# Altium PCB EVB-NORA-B20.PcbDoc (part 5 of 6) (continued)
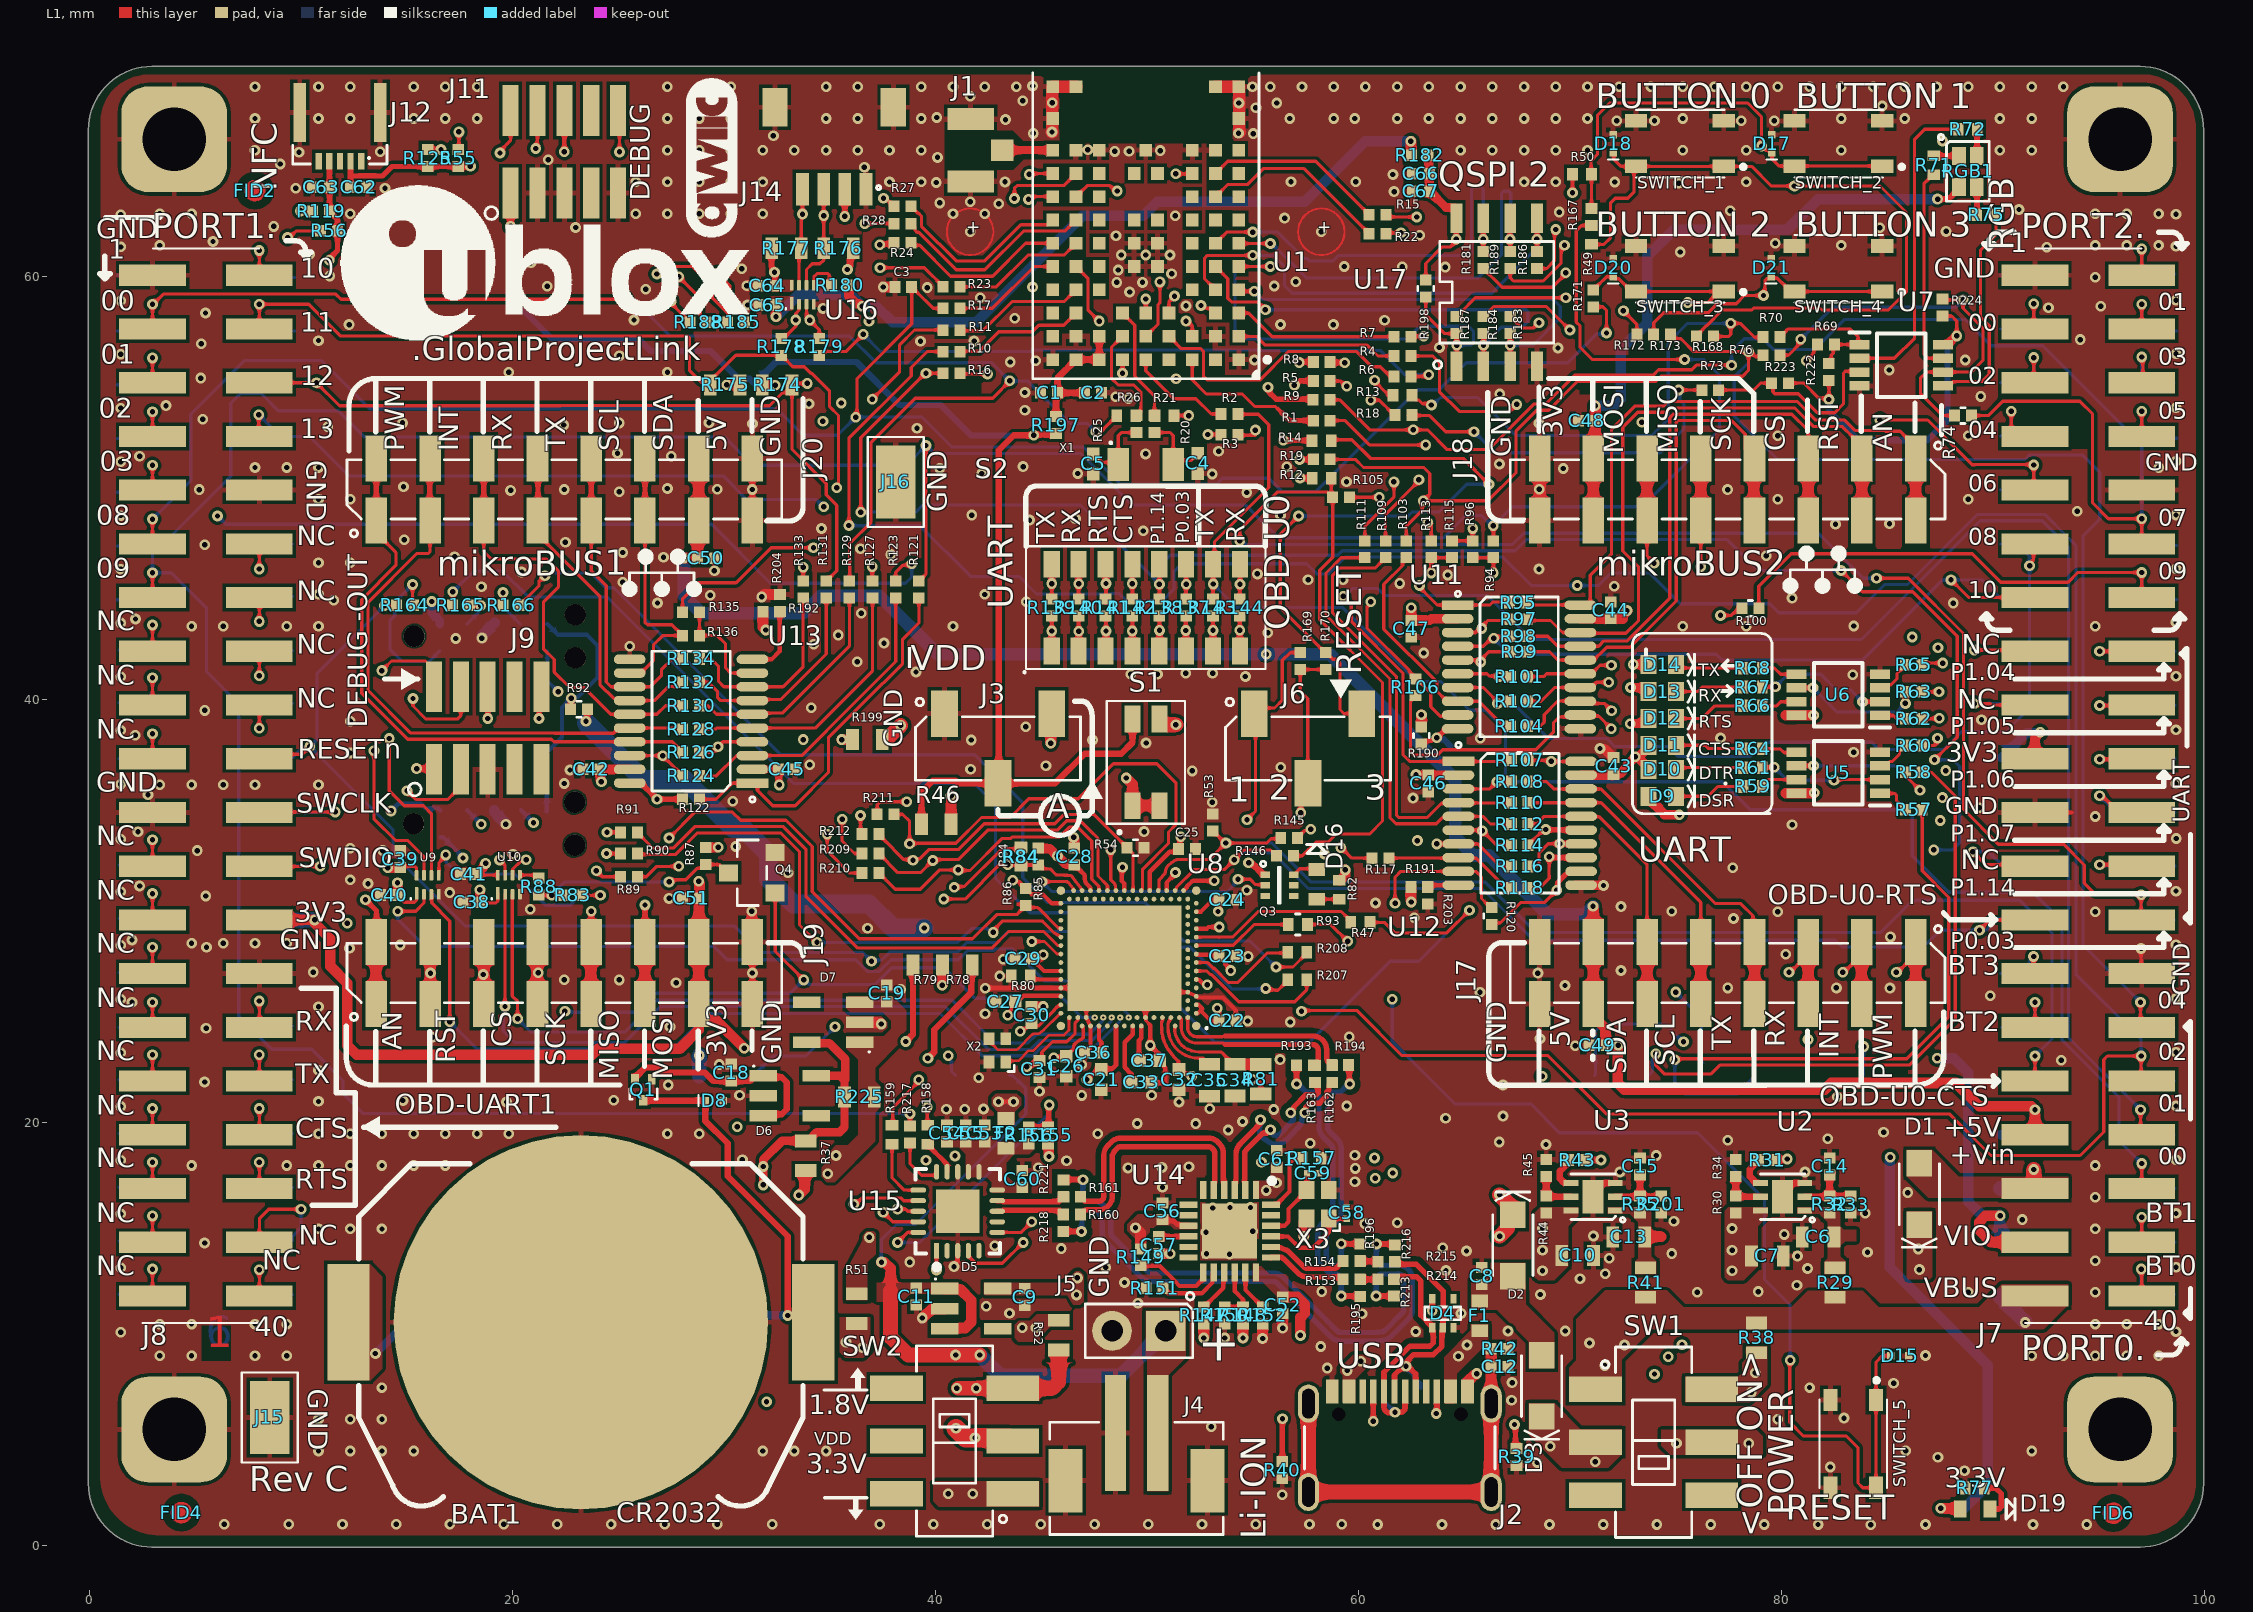
[diagram p0: L1 view]
## Nets (pads, with @x,y where several pads share a name; then routed paths per layer and width w, separated by ;. In a path a pad name is that pad's centre, name@x,y a point inside that pad or via, vN(x,y) a via of type N, cw(c..) or ccw(c..) an arc to the next point about the centre after c; other vN are vias at no path point) (continued)
  L4 w0.15: v1(12.186,29.434) 12.236,29.434 15.55,26.12 26.382,26.12 36.935,36.672 36.935,38.454 38.13,39.65 38.358,39.65 38.588,39.42 57.499,39.42 60.077,36.841 60.077,32.326 61.686,30.717 61.686,30.411 v1(61.722,30.375)
U2-SCL: R133.1 R134.2 U13.8 | length 9.5
  L1 w0.15: R134.2@28.836,41.929 29.399,41.929 29.735,41.593 29.735,40.867 29.991,40.611 U13.8@31.336,40.611 32.791,40.611 33.735,41.555 R133.1@33.735,44.805
U2-SDA: R135.1 R136.2 U13.9 | length 5
  L1 w0.15: R135.1@28.836,44.14 R136.2@28.836,43.034 29.681,43.034 30.067,42.648 30.067,41.515 30.321,41.261 U13.9@31.336,41.261
U2-TX: R131.1 R132.2 U13.7 | length 10.1
  L1 w0.15: R132.2@28.836,40.823 29.253,40.823 29.69,40.386 29.69,40.103 29.832,39.961 U13.7@31.336,39.961 31.394,40.018 32.686,40.018 34.83,42.161 R131.1@34.83,44.805
UART0_OBD-CTS: J7.25 R146.1 TP69.1 U8.AL5 | length 47.5
  L1 w0.15: U8.AL5@51.323,30.976 51.323,30.996 51.385,31.059 51.385,31.134 52.219,31.968 53.65,31.968 v1(54.122,32.44) 54.122,32.444 54.126,32.444 54.576,32.894 55.837,32.894 55.912,32.819 55.927,32.819 56.112,32.634 R146.1@56.112,32.619 ; v1(89.355,29.104) 89.841,29.59 J7.25@91.975,29.59
  L4 w0.15: v1@54.067,32.385 v1(54.122,32.44)
  L6 w0.15: v1(54.122,32.44) 54.145,32.44 54.472,32.767 55.935,32.767 57.626,31.076 65.833,31.076 68.283,28.626 82.546,28.626 82.863,28.308 86.703,28.308 87.499,29.104 v1(89.355,29.104) 89.357,29.106 89.666,29.106 90.211,29.65 TP69.1@90.4,29.65
UART0_OBD-RTS: J7.31 R53.2 R145.1 TP75.1 U8.AL9 | length 61
  L1 w0.15: U8.AL9@50.523,30.976 50.524,30.977 ccw(c50.418,31.083) 50.568,31.083 50.568,31.44 cw(c50.718,31.439) 50.612,31.545 50.815,31.748 ccw(c50.708,31.854) 50.858,31.847 cw(c51.337,31.829) 50.998,32.168 cw(c51.908,31.258) 51.409,32.444 52.941,32.444 v1(53.723,33.226) ; R53.2@53.108,33.8 53.123,33.8 53.308,33.615 53.308,33.6 53.682,33.226 v1(53.723,33.226) ; R145.1@56.317,33.465 56.282,33.43 55.855,33.43 55.651,33.226 v1(53.723,33.226) ; J7.31@90.9,21.97 J7.31@91.975,21.97 ; J7.31@91.975,21.998 v1(91.975,23.156)
  L6 w0.15: v1(53.723,33.226) 55.9,33.226 57.75,31.376 65.993,31.376 68.369,29 84.677,29 86.197,30.52 91.25,30.52 92.78,28.99 92.78,23.961 v1(91.975,23.156) 91.975,22.47 91.475,21.97 TP75.1@90.401,21.97
UART0_OBD-RXD: R144.1 S2.8 U8.U31 | length 25.3
  L1 w0.15: v1(44.539,28.568) 45.145,28.568 45.736,27.976 U8.U31@45.923,27.976 ; v1@54.381,43.252 v1(54.381,43.282) R144.1@54.381,43.959
  L1 w0.25: S2.8@54.381,42.306 v1@54.381,43.252
  L3 w0.15: v1(44.539,28.568) 42.802,30.305 42.802,32.815 47.606,37.619 47.62,37.619 51.12,41.12 51.12,41.238 52.484,42.602 52.484,43.539 52.799,43.854 53.81,43.854 v1(54.381,43.282)
UART0_OBD-TXD: R143.1 S2.7 U8.AL19 | length 16.1
  L1 w0.15: v1@48.276,32.944 48.276,31.493 48.444,31.325 cw(c48.339,31.218) 48.478,31.273 cw(c48.137,31.139) 48.504,31.139 48.504,30.995 U8.AL19@48.523,30.976 ; v1@53.111,43.267 v1(53.111,43.279) R143.1@53.111,43.974
  L1 w0.25: S2.7@53.111,42.306 v1@53.111,43.267
  L3 w0.15: v1(48.283,32.913) 48.31,32.94 48.31,33.906 52.43,38.026 52.43,42.123 53.111,42.805 v1(53.111,43.279)
UART1-CTS: R60.2 R142.1 R211.2 S2.4 TP31.1 U15.19 | length 116.8
  L1 w0.15: R211.2@37.238,34.583 37.238,35.037 37.381,35.18 v1(38.63,35.18) ; v1(37.516,15.767) 37.967,15.316 U15.19@39.18,15.316 ; v1@49.301,43.218 v1(49.301,43.25) R142.1@49.301,43.924 ; R60.2@86.646,37.836 87.226,37.836 87.37,37.98 v1@87.37,38.123
  L1 w0.25: S2.4@49.301,42.306 v1@49.301,43.218
  L3 w0.15: v1(37.516,15.767) 37.516,18.31 35.18,20.646 35.18,23.266 34.377,24.069 34.377,24.971 35.671,26.265 35.671,26.354 35.68,26.363 35.68,30.195 37.162,31.677 37.162,34.376 37.966,35.18 v1(38.63,35.18) 39.22,34.59 40.854,34.59 49.233,42.968 49.233,43.181 v1(49.301,43.25)
  L4 w0.15: v1(37.516,15.767) 37.516,15.864 37.722,16.07 37.722,16.116 38.736,17.13 45.89,17.13 46.798,18.038 48.411,18.038 48.824,18.451 52.135,18.451 54.4,16.187 54.4,15.808 54.689,15.519 56.113,15.519 56.391,15.797 62.387,15.797 66.162,19.572 67.341,19.572 72.71,24.94 80.239,24.94 v1(81.249,23.931) 81.684,24.366 85.846,24.366 88.508,27.028 88.508,37.529 87.859,38.178 v1(87.369,38.178)
  L6 w0.15: v1@81.18,23.965 81.18,23.999 v1(81.249,23.931) ; TP31.1@81.256,22.172 v1@81.256,23.931
UART1-DSR: R57.2 R137.1 S2.6 TP27.1 U15.18 | length 115.1
  L1 w0.15: v1(38.201,15.918) 38.581,15.918 38.683,15.816 U15.18@39.18,15.816 ; v1(51.829,43.276) R137.1@51.829,43.956 ; v1(74.947,22.978) 74.994,23.024 85.915,23.024 87.903,25.013 87.903,30.649 86.646,31.906 R57.2@86.646,34.796
  L1 w0.25: S2.6@51.829,42.332 v1(51.829,43.276)
  L3 w0.15: v1(38.201,15.918) 38.201,18.105 35.48,20.826 35.48,23.39 34.677,24.193 34.677,24.847 35.99,26.16 35.99,30.063 38.04,32.113 38.04,33.7 38.63,34.29 41.035,34.29 48.43,41.685 50.966,41.685 51.829,42.549 v1(51.829,43.276)
  L4 w0.15: v1(38.201,15.918) 40.309,13.809 41.499,13.809 42.028,13.28 44.295,13.28 46.877,15.862 50.157,15.862 50.2,15.819 50.222,15.819 52.093,13.948 52.093,13.848 52.707,13.234 52.843,13.234 52.85,13.226 61.776,13.226 66.27,17.72 69.25,17.72 74.468,22.938 74.908,22.938 v1(74.947,22.978)
  L6 w0.15: v1(74.947,22.978) 74.947,21.823 75.412,21.358 77.897,21.358 78.711,22.172 TP27.1@78.716,22.172
UART1-DTR: R58.2 R138.1 S2.5 TP30.1 U15.4 | length 124
  L1 w0.15: U15.4@41.546,13.951 41.546,13.702 41.892,13.356 43.155,13.356 v1(44.137,14.338) ; v1(50.583,43.278) R138.1@50.583,43.985 ; v1(74.043,23.266) 74.043,22.713 74.448,22.308 76.665,22.308 77.081,22.724 86.039,22.724 88.203,24.889 88.203,35.447 87.084,36.566 R58.2@86.646,36.566
  L1 w0.25: S2.5@50.583,42.32 v1(50.583,43.278)
  L3 w0.15: v1(44.137,14.338) 42.059,12.26 36.89,12.26 32.77,16.38 32.77,29.372 33.98,30.582 33.98,33.854 37.369,37.243 38.013,37.243 45.242,44.473 49.389,44.473 v1(50.583,43.278)
  L4 w0.15: v1(44.137,14.338) 44.702,14.338 46.526,16.162 50.478,16.162 52.29,14.35 54.418,14.35 55.238,13.53 61.656,13.53 66.146,18.02 68.86,18.02 74.043,23.203 v1(74.043,23.266)
  L6 w0.15: TP30.1@73.69,22.231 73.891,22.432 73.891,23.017 74.043,23.169 v1(74.043,23.266)
UART1-RTS: R62.2 R141.1 R212.2 S2.3 TP42.1 U15.6 | length 117.4
  L1 w0.15: v1(36.449,34.529) 36.449,33.736 R212.2@36.53,33.655 ; U15.6@42.911,14.816 44.045,14.816 v1(44.549,15.32) ; v1(48.055,43.252) R141.1@48.055,43.959 ; R62.2@86.724,39.185 R62.2@86.646,39.106 v1@87.442,39.106
  L1 w0.25: S2.3@48.055,42.294 v1(48.055,43.252)
  L3 w0.15: v1(44.549,15.32) 44.057,14.828 37.778,14.828 36.909,15.696 36.909,18.492 34.2,21.201 34.2,23.821 34.077,23.945 34.077,25.184 35.378,26.485 35.378,29.769 35.38,29.771 35.38,30.922 36.449,31.99 v1(36.449,34.529) 36.514,34.529 37.661,35.675 39.596,35.675 41.241,37.32 42.1,37.32 48.032,43.252 v1(48.055,43.252)
  L4 w0.15: v1(44.549,15.32) 45.691,16.462 51.288,16.462 52.257,15.493 53.107,15.493 53.95,14.65 54.542,14.65 55.172,14.02 58.04,14.02 58.774,14.754 60.087,14.754 ; 60.088,14.753 60.485,14.753 ; 60.485,14.754 62.455,14.754 66.021,18.32 67.447,18.32 72.317,23.19 73.013,23.19 74.313,24.49 79.638,24.49 80.998,23.13 83.413,23.13 v1(83.883,23.6) 85.92,23.6 89.89,27.57 89.89,36.877 87.709,39.058 87.514,39.058 v1(87.446,39.127)
  L6 w0.15: TP42.1@83.85,22.231 83.866,22.247 83.866,23.584 v1(83.883,23.6)
UART1-RXD: R63.2 R140.1 R210.2 S2.2 TP29.1 U15.17 | length 125.3
  L1 w0.15: v1(34.872,33.642) 34.872,32.862 35.929,31.805 R210.2@36.53,31.805 ; v1(36.13,16.146) 36.227,16.146 36.527,16.446 38.356,16.446 38.486,16.316 U15.17@39.18,16.316 ; v1@46.761,43.234 R140.1@46.761,43.94 ; R63.2@86.646,40.376 v1(87.436,40.376)
  L1 w0.25: S2.2@46.761,42.306 v1(46.761,43.237)
  L3 w0.15: v1(36.13,16.146) 36.125,16.152 34.931,16.152 33.24,17.842 33.24,28.63 34.621,30.011 34.621,31.653 34.872,31.904 34.872,34.322 37.43,36.88 38.26,36.88 45.283,43.903 46.096,43.903 v1(46.761,43.237)
  L4 w0.15: v1(36.13,16.146) 39.244,19.26 45.982,19.26 46.904,18.338 48.287,18.338 48.774,18.825 52.202,18.825 54.558,16.469 55.083,16.469 55.422,16.13 61.083,16.13 65.524,20.571 66.291,20.571 71.898,26.178 v1(74.993,26.178) 75.81,25.36 82.01,25.36 82.415,24.955 85.795,24.955 88.15,27.31 88.15,35.919 87.987,36.082 87.153,36.082 86.34,36.895 86.34,39.109 87.368,40.137 87.368,40.307 v1(87.436,40.376)
  L6 w0.15: v1(74.993,26.178) 76.205,24.966 76.205,22.256 TP29.1@76.23,22.231
UART1-TXD: R65.2 R139.1 R209.2 S2.1 TP26.1 U15.1 | length 130
  L1 w0.15: v1(35.579,34.347) 35.579,33.319 36.165,32.733 36.527,32.733 R209.2@36.53,32.73 ; v1(40.038,13.043) 40.038,13.943 U15.1@40.046,13.951 ; v1(45.491,43.25) R139.1@45.491,43.956 ; R65.2@86.646,41.646 86.732,41.732 v1(87.621,41.732)
  L1 w0.25: S2.1@45.491,42.306 v1(45.491,43.25)
  L3 w0.15: v1(40.038,13.043) 39.635,12.64 37.255,12.64 36.26,13.635 36.26,14.662 36.609,15.011 36.609,18.368 33.777,21.2 33.777,25.309 34.239,25.771 34.239,27.084 33.91,27.413 33.91,28.725 35.08,29.895 35.08,31.41 35.558,31.888 35.558,34.325 37.267,36.034 38.436,36.034 45.423,43.021 45.423,43.181 v1(45.491,43.25)
  L4 w0.15: v1(40.038,13.043) 40.071,13.043 40.425,12.689 45.459,12.689 48.289,15.519 50.098,15.519 51.793,13.824 51.793,13.724 52.591,12.926 61.9,12.926 66.394,17.42 69.4,17.42 73.22,21.24 74.539,21.24 75.451,22.152 75.451,23.563 75.428,23.586 75.428,23.716 75.451,23.739 v1(75.36,23.83) 76.23,23.83 77.25,22.81 85.62,22.81 90.253,27.443 90.253,39.517 88.038,41.732 v1(87.621,41.732)
  L6 w0.15: TP26.1@71.15,22.231 71.2,22.281 71.2,24.34 71.536,24.676 74.472,24.676 75.318,23.83 v1(75.36,23.83)
UART1_OBD-CTS: J8.36 R211.1 TP120.1 U8.AL13 | length 74
  L1 w0.15: J8.36@8.025,16.95 v1(8.025,18.136) ; R211.1@38.038,34.583 38.435,34.583 38.769,34.249 v1(38.769,33.194) 38.787,33.212 40.949,33.212 42.17,34.434 43.52,34.434 44.406,35.32 46.747,35.32 48.404,36.977 50.454,36.977 51.359,36.073 51.359,34.097 51.007,33.745 51.007,33.211 49.786,31.989 49.786,31.092 49.785,31.059 49.723,30.996 U8.AL13@49.723,30.976
  L4 w0.15: v1(8.025,18.136) 8.533,18.644 25.664,18.644 28.24,21.22 28.24,24.785 34.122,30.667 37.857,30.667 38.769,29.755 40.94,29.755 42.046,30.861 42.046,33.01 41.33,33.726 39.15,33.726 39.043,33.62 39.043,33.566 38.769,33.291 v1(38.769,33.194)
  L6 w0.15: v1(8.025,18.136) 8.025,17.45 8.525,16.95 TP120.1@9.6,16.95
UART1_OBD-RTS: J8.34 R54.2 R212.1 TP118.1 U8.AL15 | length 64.2
  L1 w0.15: J8.34@8.025,19.49 v1(8.025,20.676) ; R212.1@37.33,33.655 37.515,33.47 37.515,33.421 38.493,32.444 38.904,32.444 v1(38.931,32.416) 38.998,32.483 39.242,32.483 39.671,32.912 41.073,32.912 42.295,34.134 45.632,34.134 46.076,34.578 47.485,34.578 49.043,33.02 49.043,32.99 49.228,32.805 49.243,32.805 49.336,32.712 49.336,30.989 U8.AL15@49.323,30.976
  L4 w0.15: v1(8.025,20.676) 9.339,21.99 25.67,21.99 27.94,24.26 27.94,24.909 33.998,30.967 37.981,30.967 38.893,30.055 40.816,30.055 41.746,30.985 41.746,32.886 41.219,33.413 39.689,33.413 39,32.724 39,32.485 v1(38.931,32.416)
  L6 w0.15: v1(8.025,20.676) 8.025,19.99 8.525,19.49 TP118.1@9.6,19.49
UART1_OBD-RX: J8.32 R210.1 TP116.1 U8.AL23 | length 54.7
  L1 w0.15: J8.32@8.025,22.03 v1(8.025,23.216) ; R210.1@37.33,31.805 37.33,31.79 37.515,31.605 37.53,31.605 38.094,31.041 39.275,31.041 40.188,31.954 v1(41.073,31.954) 41.1,31.926 41.627,31.926 43.144,33.444 43.561,33.444 43.63,33.513 45.86,33.513 46.324,33.977 46.72,33.977 47.215,33.482 47.378,33.32 47.378,31.518 47.713,31.183 47.713,30.986 U8.AL23@47.723,30.976
  L4 w0.15: v1(8.025,23.216) 8.056,23.185 25.315,23.185 27.971,25.841 28.25,25.841 33.883,31.475 39.931,31.475 40.41,31.954 v1(41.073,31.954)
  L6 w0.15: v1(8.025,23.216) 8.025,22.53 8.525,22.03 TP116.1@9.6,22.03
UART1_OBD-TX: J8.30 R209.1 TP113.1 U8.AL21 | length 54.8
  L1 w0.15: J8.30@8.025,24.57 v1(8.025,25.756) ; R209.1@37.33,32.73 37.33,32.715 38.216,31.829 39.283,31.829 39.854,32.4 v1(39.863,32.4) 39.907,32.444 41.076,32.444 42.466,33.834 45.756,33.834 46.199,34.277 46.845,34.277 47.34,33.782 47.678,33.444 47.678,31.667 48.123,31.222 U8.AL21@48.123,30.976
  L4 w0.15: v1(8.025,25.756) 9.004,25.756 11.22,23.54 25.07,23.54 27.671,26.141 28.126,26.141 33.494,31.509 33.494,31.511 33.758,31.775 39.22,31.775 39.845,32.4 v1(39.863,32.4)
  L6 w0.15: v1(8.025,25.756) 8.025,25.07 8.525,24.57 TP113.1@9.6,24.57
USB_n: D4.1 J2.A7 J2.B7 R213.2 R214.2 TP4.1 | length 12.3
  L1 w0.255: R213.2@61.705,12.582 R213.2@61.705,12.593 ; R214.2@61.705,12.597 R213.2@61.705,12.593 ; J2.A7@62.196,7.296 62.196,6.527 cw(c61.991,6.527) 62.136,6.382 cw(c61.978,6.54) 61.978,6.316 v1(61.719,6.316) 61.693,6.291 61.439,6.291 cw(c61.439,6.501) 61.291,6.352 cw(c61.52,6.582) 61.196,6.582 J2.B7@61.196,7.296 61.196,8.204 62.431,9.439 63.371,9.439 63.53,9.598 D4.1@63.53,10.15 ; D4.1@63.483,10.318 63.483,10.393 63.46,10.415 63.427,10.415 62.943,10.899 62.943,12.518 62.735,12.726 61.838,12.726 R213.2@61.705,12.593
  L6 w0.15: TP4.1@61.16,7.434 61.16,6.875 v1(61.719,6.316)
USB_p: D4.2 J2.A6 J2.B6 R215.2 R216.2 TP5.1 | length 11.8
  L1 w0.255: J2.A6@61.696,7.296 61.696,8.086 62.052,8.442 62.192,8.442 v1(62.24,8.49) 62.288,8.442 62.378,8.442 62.696,8.124 J2.B6@62.696,7.296 ; R215.2@61.705,13.43 61.834,13.301 R215.2@61.842,13.301 ; R215.2@61.719,13.425 R216.2@61.719,13.43 ; R215.2@61.846,13.298 R215.2@61.842,13.301 ; v1@62.147,8.583 62.599,9.034 63.539,9.034 63.935,9.43 D4.2@63.935,10.15 ; D4.2@63.983,10.318 63.983,10.393 64.006,10.416 64.006,12.028 62.732,13.301 R215.2@61.842,13.301
  L6 w0.15: v1(62.24,8.49) 62.24,8.393 62.938,7.695 TP5.1@62.938,7.434
V_BAT: C11.1 D5.1 D5.3 J4.2 J5.1 TP1.1 | length 36.1
  L1 w0.5: v1(37.438,13.412) v1(37.438,13.412) 37.576,13.411 37.871,13.116 37.871,12.046 ; D5.3@40.436,10.262 40.461,10.287 41.393,10.287 41.686,10.58 41.686,11.602 41.151,12.137 40.455,12.137 D5.1@40.436,12.155
  L1 w0.7: 37.871,12.046 37.871,9.855 38.709,9.017 v1(40.945,9.017) v1(42.088,9.017)
  L6 w0.15: v1(37.438,13.412) 37.427,13.423 37.427,14.467 38.149,15.189 39.049,15.189 44.262,20.402 44.262,21.628 43.659,22.231 TP1.1@43.489,22.231
  L6 w0.7: v1(40.945,9.017) v1(42.088,9.017) 43.065,8.04 48.759,8.04 J5.1@50.879,10.16
V_Coin_Cell: D6.5 D7.5 R37.2 R225.1 SW2.1 | length 40.3
  L1 w0.4: v1(31.846,17.062) v2(31.846,17.93) 31.846,18.249 32.746,19.149 33.846,19.149 33.854,19.14 R37.2@33.858,19.14 ; D7.5@33.91,23.801 33.951,23.76 34.978,23.76 35.726,23.011 35.726,22.027 35.692,21.993 ; R37.2@34.008,19.19 34.37,19.552 35.458,19.552 35.692,19.786 R225.1@35.692,21.222 35.692,21.993 ; D6.5@34.351,22.227 35.458,22.227 35.692,21.993
  L4 w0.7: v2(31.846,17.93) v1(31.846,17.062) 31.846,16.715 29.389,14.258 29.389,3.991 30.927,2.453 v2(40.595,2.453) v2(41.749,2.453)
VBUS: J7.39 R29.1 R38.1 R41.1 R92.2 SW1.1 TP83.1 | length 49.1
  L1 w0.2: v1(23.47,38.989) 23.539,39.059 R92.2@23.539,39.548
  L4 w0.5: v1(39.459,29.208) 41.065,29.208 42.521,30.664 42.521,33.547 44.409,35.436 51.081,35.436 51.553,35.908 57.592,35.908 58.387,35.113 v1(58.387,32.706)
  L6 w0.7: TP83.1@90.346,11.811 90.346,11.754 v1@91.5,10.6
  L6 w0.9: v1@23.494,38.901 26.175,36.22 28.126,36.22 30.433,33.913 30.902,33.913 32.096,32.72 32.096,31.53 33.289,30.336 36.857,30.336 37.985,29.208 v1(39.459,29.208)
  other v1: 71.634,8.525 72.569,9.489 70.916,9.589 91.515,10.556 60.782,17.374 61.617,17.626 60.748,18.338
VDD: J3.2 J11.1 R46.1 R197.2 S1.4 TP16.1 | length 65.6
  L1 w0.3: v1(19.904,62.378) 19.905,62.379 19.905,63.958 J11.1@19.906,63.959 ; R46.1@39.33,34.112 39.33,35.634 39.867,36.17 40.941,36.17 41.067,36.044 J3.2@42.951,36.044 ; R197.2@45.69,52.584 45.648,52.543 44.675,52.543 v1(44.633,52.501) 43.688,52.501 42.984,51.796 42.984,36.076 J3.2@42.951,36.044 ; S1.4@49.308,39.089 49.308,37.977 48.781,37.45 47.048,37.45 45.642,36.044 J3.2@42.951,36.044
  L6 w0.3: v1(19.904,62.378) 19.904,59.015 21.853,57.066 25.96,57.066 26.537,56.49 29.358,56.49 30.676,55.171 31.219,55.171 TP16.1@31.39,55 ; TP16.1@31.438,54.952 32.454,55.968 36.257,55.968 38.288,53.937 40.236,53.937 41.682,52.49 44.623,52.49 v1(44.633,52.501)
VDD_DBGR: C21.1 C22.1 C23.1 C24.1 C25.1 C28.1 C29.1 C30.1 C31.1 C32.1 C38.2 C40.2 J10.1 R78.2 R79.1 R85.2 R86.2 R87.2 TP43.1 U8.A19 U8.AC1 U8.AG1 U8.AJ31 U8.AL3 U8.AL7 U8.AL11 U8.AL17 U8.AL25 U8.B8 U8.B28 U8.C1 U8.E1 U8.E31 U8.L1 U8.N31 U8.U1 U9.1 U10.1 | length 94.8
  L1 w0.15: C40.2@14.564,30.752 14.892,30.424 15.36,30.424 15.447,30.511 15.447,30.837 U9.1@15.46,30.849 ; C38.2@18.497,30.392 19.207,30.392 19.295,30.48 U10.1@19.295,30.857 ; v1(44.006,24.33) 44.334,24.506 C30.1@44.534,24.691 44.636,24.589 44.884,24.589 45.609,25.315 45.609,25.349 45.821,25.562 U8.E31@45.94,25.562 ; C31.1@44.732,22.852 ccw(c44.656,22.982) 44.762,22.876 44.82,22.934 C31.1@44.909,22.934 45.024,23.049 45.024,23.331 45.526,23.833 46.205,23.833 46.593,24.22 46.593,24.443 46.593,24.723 46.716,24.846 U8.B28@46.716,24.969 ; U8.B28@46.709,24.962 U8.B28@46.716,24.969 ; U8.B28@46.73,24.983 U8.B28@46.723,24.976 U8.B28@46.716,24.969
  L1 w0.16: 50.699,24.264 cw(c52.441,24.501) 50.683,24.508 ccw(c50.523,24.508) 50.683,24.521 cw(c51.323,24.576) 50.681,24.6 ccw(c50.521,24.605) 50.681,24.617 cw(c51.134,24.655) 50.721,24.847 ccw(c50.576,24.913) U8.B8@50.723,24.976 ; 50.7,24.263 ccw(c52.505,24.488) 51.146,23.278 cw(c51.026,23.172) 51.157,23.265 ccw(c52.799,24.423) 51.482,22.905
  L1 w0.187: C29.1@44.492,27.814 44.542,27.764 44.549,27.757 45.13,27.176 U8.N31@45.923,27.176 ; v2(47.158,22.042) 47.645,22.529 C21.1@47.78,22.529 ; 51.482,22.905 51.482,22.553 51.719,22.316 51.986,22.316 v2(52.113,22.189) ; C32.1@51.495,22.528 cw(c51.363,22.396) C32.1@51.508,22.514 ; v2(53.309,25.42) 53.394,25.335 C22.1@53.394,24.833 C22.1@53.394,24.825 ; v2(53.355,29.99) 53.423,30.058 C24.1@53.423,30.538 ; C23.1@53.394,27.881 53.69,27.585 53.69,27.505 53.833,27.363 53.902,27.363 v1@53.902,27.187
  L1 w0.2: v2(43.647,31.468) 43.707,31.408 43.906,31.408 44.247,31.067 R86.2@44.262,31.067 44.277,31.067 44.537,30.807 45.053,30.807 45.49,30.37 45.497,30.376 U8.AJ31@45.923,30.376 ; C28.1@46.692,32.062 46.962,31.792 ; 47.013,31.758 cw(c46.853,31.638) 47.053,31.638 47.053,31.518 ccw(c47.378,31.518) 47.149,31.287 47.26,31.176 cw(c47.118,31.035) U8.AL25@47.318,31.036 ; U8.AL25@47.318,31.035 47.318,30.981 U8.AL25@47.323,30.976 ; v1(48.832,32.082) 48.801,32.051 48.801,31.428 48.923,31.306 U8.AL17@48.923,30.976 ; U8.AL11@50.123,30.976 50.123,31.867 51.066,32.81 51.359,32.81 C25.1@51.492,32.944 51.34,33.096 51.517,33.096 51.54,33.119 51.54,33.48 v1(51.587,33.528) ; U8.AL7@50.923,30.976 50.923,31.352 51.337,31.766 v1(51.337,31.829) ; U8.AL3@51.728,30.981 51.873,31.126 51.873,31.162 52.137,31.426 52.173,31.426 52.184,31.437 v1(53.178,31.437) ; U8.C1@52.323,25.176 52.328,25.181 52.397,25.181 52.529,25.313 ; U8.E1@52.323,25.576 52.422,25.576 52.607,25.391 52.529,25.313 ; U8.L1@52.323,26.776 52.328,26.771 52.358,26.771 cw(c52.358,26.571) 52.498,26.714 52.579,26.633 cw(c52.323,26.376) 52.58,26.632 52.62,26.592 ccw(c52.761,26.733) v1@52.755,26.533 ; U8.U1@52.323,27.976 52.36,27.939 53.336,27.939 C23.1@53.394,27.881 ; U8.AC1@52.323,29.176 52.826,29.176 52.902,29.252 v1(53.408,29.252) v1@53.415,29.26 ; U8.AG1@52.323,29.976 52.328,29.981 52.541,29.981 53.108,30.548 C24.1@53.394,30.548 ; v1@52.756,26.533 cw(c52.749,26.333) 52.771,26.532 v1(52.843,26.524) ; C22.1@53.412,24.818 53.025,24.818 52.529,25.313
  L1 w0.225: C21.1@47.825,22.514 47.861,22.55 48.344,22.55 48.523,22.729 U8.A19@48.523,24.576
  L1 w0.3: v1@44.275,22.582 44.323,22.611 C31.1@44.732,22.852
  L1 w0.45: C40.2@14.561,30.77 v1@14.561,31.348 ; C38.2@18.456,30.432 v1@18.456,31.01 ; R87.2@29.137,33.017 v1@29.715,33.017 ; C29.1@44.542,27.734 C29.1@44.542,27.749 44.542,27.764 44.577,27.799 44.93,27.799 45.075,27.944 v1(45.091,27.944) ; R85.2@44.856,32.988 44.891,32.953 45.401,32.953 45.74,32.614 v1(45.756,32.614) 45.772,32.614 46.17,32.215 46.505,32.215 46.545,32.175 C28.1@46.545,32.152
  L1 w0.5: v1(40.31,26.495) 40.312,26.497 40.312,27.436 R79.1@40.327,27.452
  L3 w0.5: v1(14.254,34.745) 14.256,34.743 14.256,33.653 14.751,33.158 14.751,31.547 17.602,31.547 18.131,31.017 18.427,31.017 18.429,31.015 18.451,31.015 v1(18.453,31.013) ; v1(14.557,31.351) 14.742,31.536 ; 18.102,31.002 18.102,30.945 17.87,30.713 17.87,24.948 19.62,23.198 v1@28.811,23.198 ; v1(28.824,23.185) 29.71,24.071 v1@29.71,33.012
  L4 w0.5: v1(28.824,23.185) 31.189,25.55 39.392,25.55 v1@40.386,26.544
  L6 w0.15: TP43.1@28.796,22.172 TP43.1@28.824,22.2
  L6 w0.2: v1(14.254,34.745) 14.594,35.085 15.66,35.085 15.889,34.856 16.506,34.856 J10.1@16.589,34.773
  L6 w0.7: TP43.1@28.824,22.2 v1(28.824,23.185)
  other v1: 44.3,22.65 53.959,27.194 29.718,33.02
VDD_M: J3.3 R37.1 R46.2 R199.1 S1.1 S1.2 SW2.2 | length 75
  L1 w0.5: v1(33.531,16.58) 33.808,16.857 33.808,17.69 R37.1@33.858,17.74 ; R46.2@40.73,34.112 v1(40.73,35.455) ; v1(45.441,37.948) 45.442,37.949 45.442,39.086 J3.3@45.441,39.088 ; v1(49.018,36.3) 49.308,36.01 S1.1@49.308,34.989 S1.2@50.578,34.989
  L1 w0.7: R199.1@37.521,38.265 37.83,38.265 v2(38.346,38.781) ; SW2.2@43.639,4.953 SW2.2@43.644,4.953
  L1 w0.9: v1(40.96,5.553) 41.41,5.103 v1(41.861,5.103) 43.489,5.103 SW2.2@43.639,4.953
  L3 w0.7: v2(30.615,19.804) 32.195,21.384 32.195,29.61 32.2,29.615 32.2,33.132 37.849,38.781 v2(38.346,38.781)
  L4 w0.5: v1(40.73,35.455) 41.915,35.455 44.408,37.948 v1(45.441,37.948) 46.3,37.948 47.948,36.3 v1(49.018,36.3)
  L4 w0.9: v2(30.615,19.804) 31.004,20.193 33.004,20.193 33.531,19.666 v1(33.531,16.58) 33.531,15.404 31.486,13.358 31.486,7.358 32.013,6.831 39.683,6.831 v1(40.96,5.553) 41.41,5.103 v1(41.861,5.103) ; v2(38.346,38.781) 38.346,37.84 v1(40.73,35.455)
  other v2: 32.008,6.813
VDD_SWD0: C39.1 C41.1 J9.1 U9.8 U10.8 | length 17.2
  L1 w0.15: C39.1@14.681,32.061 14.744,32.124 15.372,32.124 15.46,32.036 U9.8@15.46,31.699 ; C41.1@18.325,31.759 18.377,31.707 19.282,31.707 U10.8@19.282,31.719 ; U10.8@19.282,31.796 U10.8@19.282,31.719 ; U10.8@19.295,31.707 U10.8@19.282,31.719
  L1 w0.3: v1(15.46,36.744) 16.246,36.744 J9.1@16.281,36.709
  L1 w0.45: v1(14.097,32.055) 14.1,32.058 14.678,32.058 C39.1@14.681,32.061 ; J9.1@16.126,37.011 16.281,37.166 J9.1@16.281,37.586 ; C41.1@18.322,31.77 18.607,32.056 18.607,32.131 18.723,32.247 v1(18.723,32.262)
  L3 w0.3: v1(14.097,32.055) 13.53,32.055 13.243,32.342 13.243,36.167 13.82,36.744 v1(15.46,36.744)
  L4 w0.3: v1(14.097,32.055) 15.059,32.055 15.355,31.759 18.219,31.759 v1(18.723,32.262)
VDDIO_Periph: C45.1 C46.1 C47.1 C65.1 J7.37 J13.1 R79.2 R155.1 R174.2 R175.2 R180.2 R182.1 R190.2 R191.2 R192.2 R199.2 R222.1 R223.1 R224.1 S1.3 TP28.1 TP81.1 U5.8 U6.8 U7.8 U11.2 U12.2 U13.2 U16.1 | length 145.8
  L1 w0.15: R223.1@80.327,54.969 81.055,54.969 81.763,54.261 v1@82.166,54.261 ; v1@82.22,54.285 v1@82.235,54.27 ; R222.1@82.22,55.09 82.235,55.075 v1@82.235,54.27 ; v1(82.235,54.193) v1@82.235,54.27 ; R224.1@87.605,58.142 88.033,58.142 88.279,57.896 v1(88.279,57.203)
  L1 w0.3: U13.2@31.336,36.711 C45.1@32.561,36.711 32.582,36.69 32.582,35.995 v1(32.603,35.974) ; v1(38.588,23.839) 38.927,24.178 R79.2@38.927,27.452
  L1 w0.4: v1@62.744,36.434 U12.2@64.718,36.434 ; U7.8@87.629,56.792 87.829,56.792 88.239,57.201 88.278,57.201 v1(88.279,57.203)
  L1 w0.45: v1(30.124,54.889) 30.129,54.885 30.746,54.885 R175.2@30.75,54.881 ; R174.2@31.809,54.881 31.817,54.872 32.402,54.872 v1(32.41,54.864) ; R180.2@35.867,59.6 35.902,59.565 35.902,59.076 36.253,58.725 36.394,58.725 36.514,58.605 v1(36.53,58.605) ; R155.1@45.314,18.997 45.349,18.962 45.349,18.415 v1(45.36,18.404) ; v1(62.488,44.347) C47.1@62.488,43.758 63.353,43.758 63.423,43.828 U11.2@64.683,43.828
  L1 w0.5: R192.2@31.826,44.154 31.836,44.144 31.836,43.428 31.965,43.299 v1(31.965,43.297) ; v1(32.455,58.112) C65.1@32.455,58.663 ; v1(35.556,38.115) R199.2@36.02,38.115 ; R191.2@62.467,31.146 62.477,31.136 62.477,30.447 62.486,30.438 v1(62.486,30.436) ; v1(62.469,66.405) 62.469,66.403 62.48,66.392 62.48,65.703 R182.1@62.49,65.693 ; v1(62.713,36.462) 62.716,36.462 v1@62.744,36.434 ; R190.2@62.967,38.703 v1(62.967,39.293) ; 80.201,35.574 U5.8@80.701,35.574 81.517,35.574 v1(81.546,35.603) ; 80.201,39.257 U6.8@80.701,39.257 80.71,39.267 81.507,39.267 v1(81.509,39.268) ; v1@90.32,15.597 89.633,15.597 89.34,15.305 89.34,14.91 89.896,14.354 J7.37@91.919,14.354
  L1 w0.7: S1.3@50.578,39.089 50.578,38.85 50.608,38.82 v1(51.359,38.82)
  L3 w0.5: v1(16.175,44.644) v1(16.175,44.644) 16.448,44.642 17.294,43.796 19.84,43.796 21.147,45.103 24.202,45.103 25.995,43.31 v1@31.92,43.31 ; v1(81.509,39.268) 80.56,40.217 80.56,42.633 77.963,45.23 77.963,47.453 74.11,51.306 74.11,58.716 76.114,60.72 85.556,60.72 88.279,57.997 v1(88.279,57.203)
  L6 w0.3: v1(82.235,54.193) 82.235,53.671 83.636,52.27 86.885,52.27 87.841,53.226 87.841,56.743 v1@88.279,57.181
  L6 w0.4: v1(16.175,44.644) 16.175,44.112 16.56,43.727 J13.1@16.56,43.578
  L6 w0.5: v1(32.455,58.112) 33.499,59.156 35.977,59.156 36.528,58.605 37.2,58.605 37.965,57.84 41.923,57.84 46.963,62.88 49.825,62.88 50.485,63.54 57.455,63.54 60.32,66.405 v1(62.469,66.405) ; v1(87.36,23.05) 88.142,23.05 88.83,22.362 88.83,16.263 89.493,15.6 v1(90.331,15.6) ; v1@90.298,15.638 90.298,14.399 TP81.1@90.342,14.355
  other v1: 68.682,22.2 62.778,33.342 33.735,38.115
X_L_N: C5.1 R25.1 X1.1 | length 3.6
  L1 w0.15: C5.1@47.447,51.422 47.677,51.422 47.876,51.224 48.53,51.224 X1.1@48.631,51.122 48.634,51.125 48.634,52.483 48.781,52.629 R25.1@49.495,52.629
X_L_P: C4.1 R20.1 X1.2 | length 3.6
  L1 w0.15: R20.1@50.348,52.629 50.353,52.634 51.085,52.634 51.231,52.488 X1.2@51.231,51.122 51.435,51.325 52.077,51.325 52.2,51.448 C4.1@52.4,51.448
pads on no net: D4.4 D5.4 D6.4 D7.4 J2.A8 J2.B8 J2.MH1 J2.MH2 J9.7 J9.8 J9.9 J10.6 J10.7 J10.8 J10.9 J10.A J10.B J10.C J11.7 J11.8 J12.1 J12.3 J12.5 J13.7 J13.8 J13.A J13.B J13.C Q3.3 Q3.4 Q3.5 SW1.3 SW1.6 SW2.4 SW2.5 SW2.6 TP2.1 TP3.1 TP6.1 TP7.1 TP8.1 TP9.1 TP10.1 TP11.1 TP12.1 TP13.1 TP14.1 TP15.1 TP17.1 TP18.1 TP19.1 TP20.1 TP21.1 TP22.1 TP23.1 TP24.1 TP25.1 TP32.1 TP33.1 TP34.1 TP35.1 TP39.1 TP40.1 TP41.1 TP125.1 TP126.1 U1.A2 U1.A4 U1.B9 U1.C9 U1.D3 U1.D7 U1.D9 U1.E3 U1.E7 U1.F3 U1.F7 U1.G1 U1.G2 U1.G3 U1.G4 U1.G5 U1.G7 U1.H1 U1.H3 U1.H7 U1.J1 U1.J4 U1.J5 U1.J7 U1.K1 U8. U8.A1 U8.A17 U8.A21 U8.A31 U8.AB2 U8.AD2 U8.AE1 U8.AE31 U8.AF2 U8.AG31 U8.AH2 U8.AJ1 U8.AK2 U8.AK4 U8.AK6 U8.AK8 U8.AK10 U8.AK12 U8.AK14 U8.AK16 U8.AK18 U8.AK20 U8.AK22 U8.AK24 U8.AK26 U8.AK28 U8.AK30 U8.AL1 U8.AL31 U8.B10 U8.B14 U8.D2 U8.F2 U8.J1 U8.K2 U8.M2 U8.P2 U8.R31 U8.T2 U8.V2 U8.Y2 U14.6 U14.7 U14.8 U14.11 U14.12 U14.23 U15.2 U15.5 U15.7